# Altium PCB PCB.PcbDoc (part 1 of 2)
Units mm, origin at the board's own origin, x right, y up, seen from the top; angles counter-clockwise.
Board outline 111 x 125 mm, 4 copper layers (Top Layer, Ground Plane, Supply, Bottom Layer), stack 1.536 mm thick; 103 components, 126 nets, 485 pads, 233 vias.
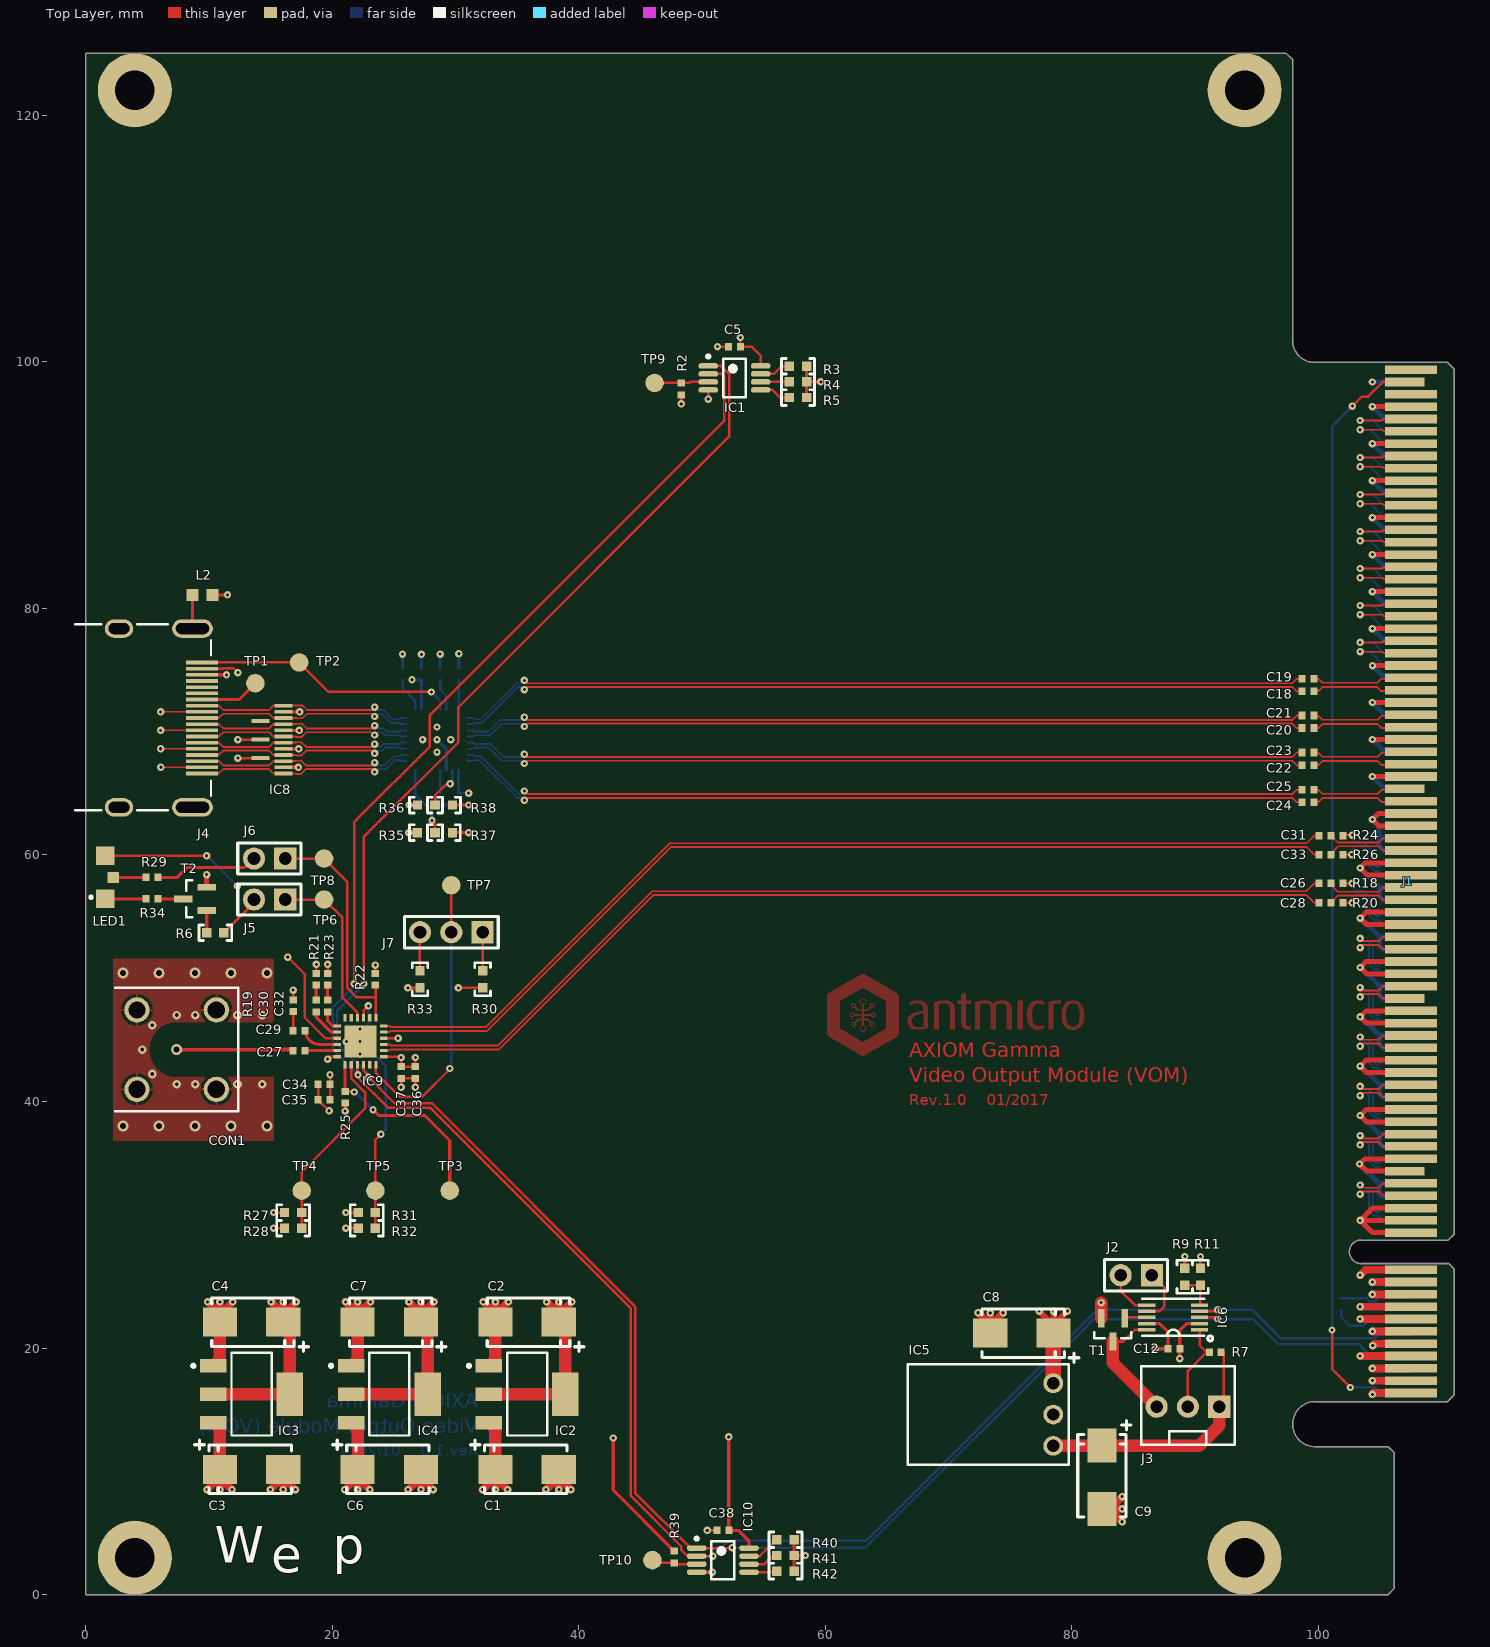
[diagram p0: Top Layer view]
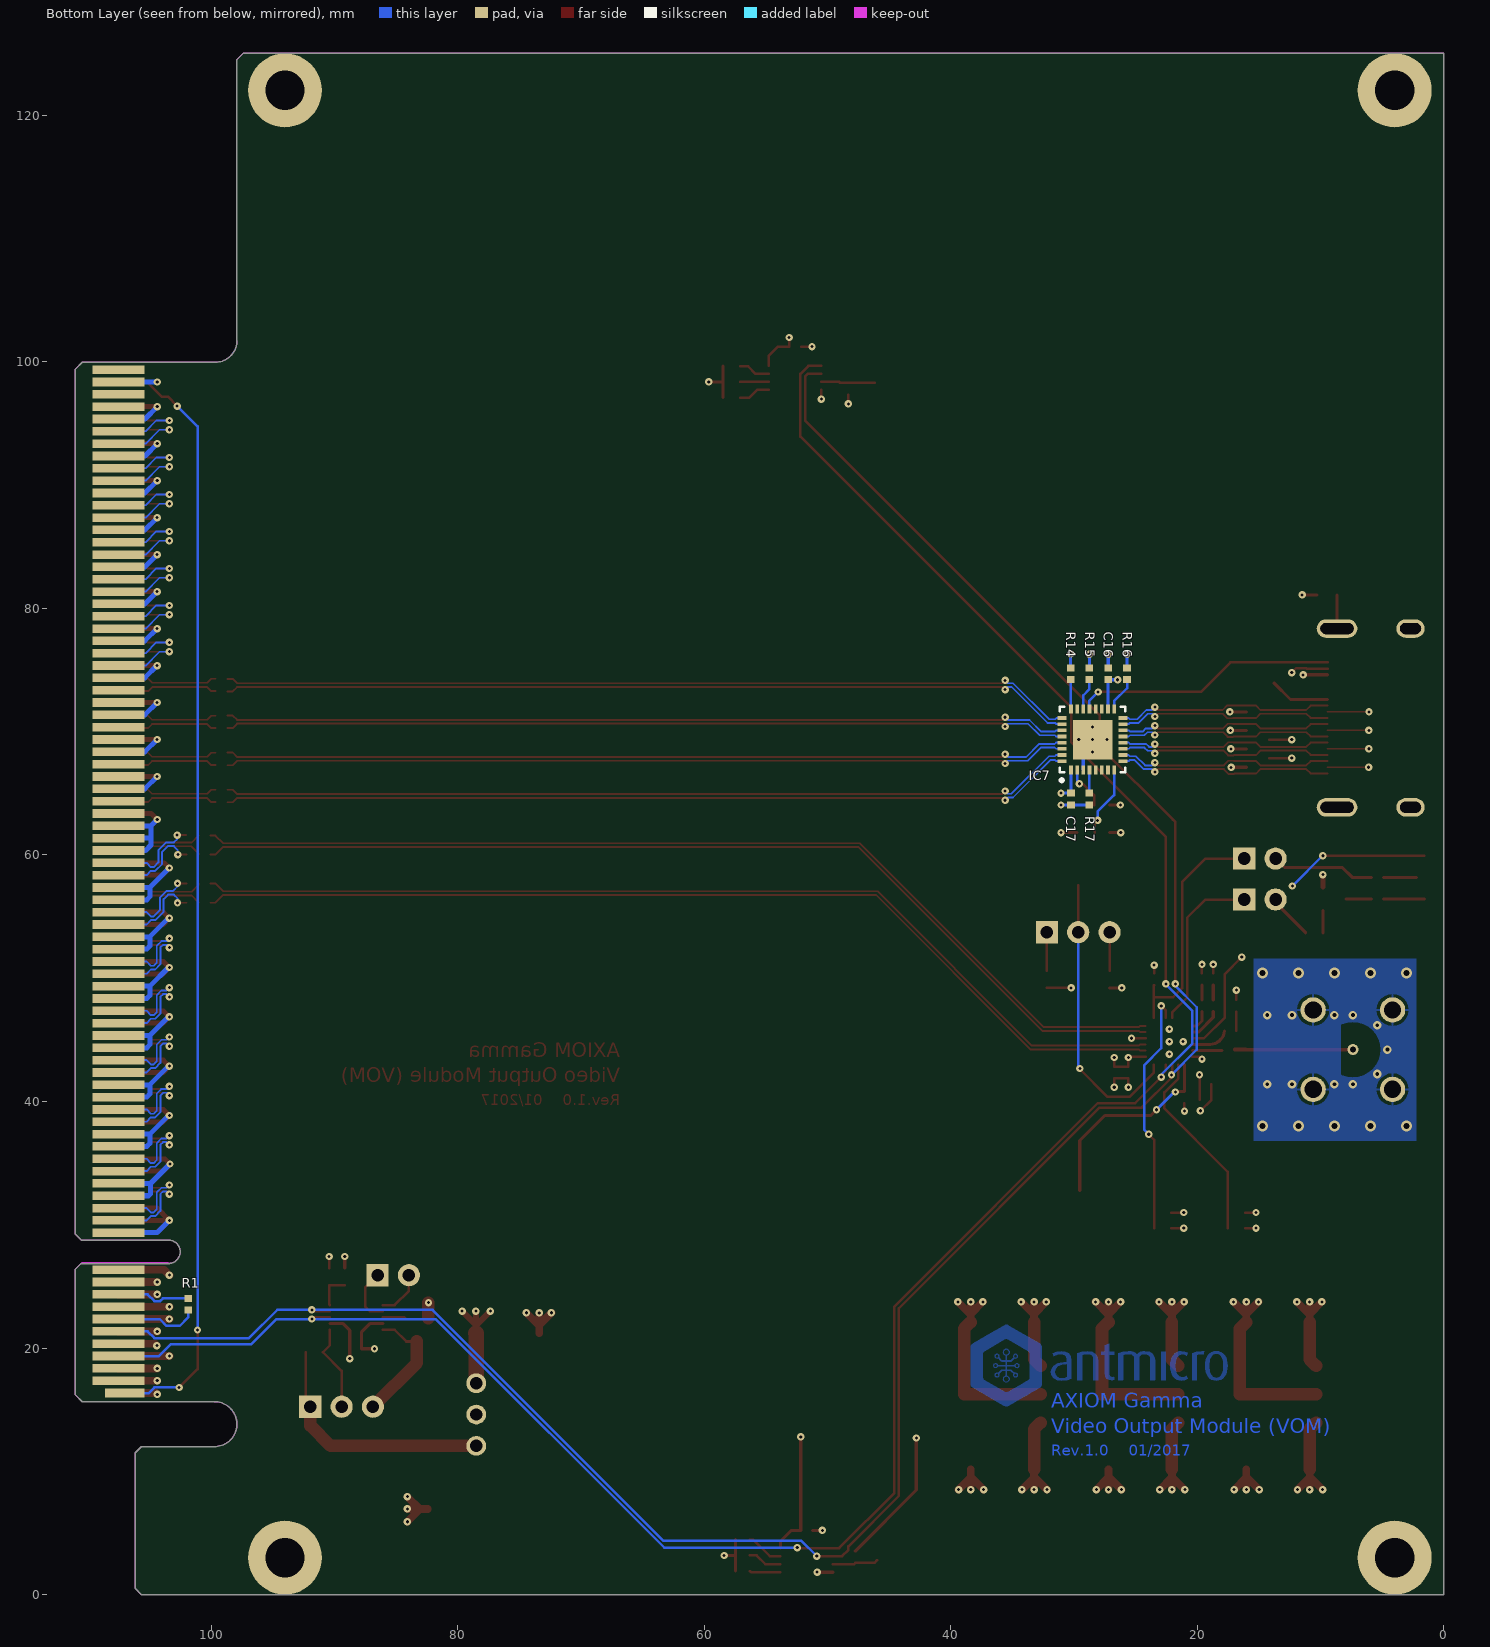
[diagram p1: Bottom Layer view, seen from below]
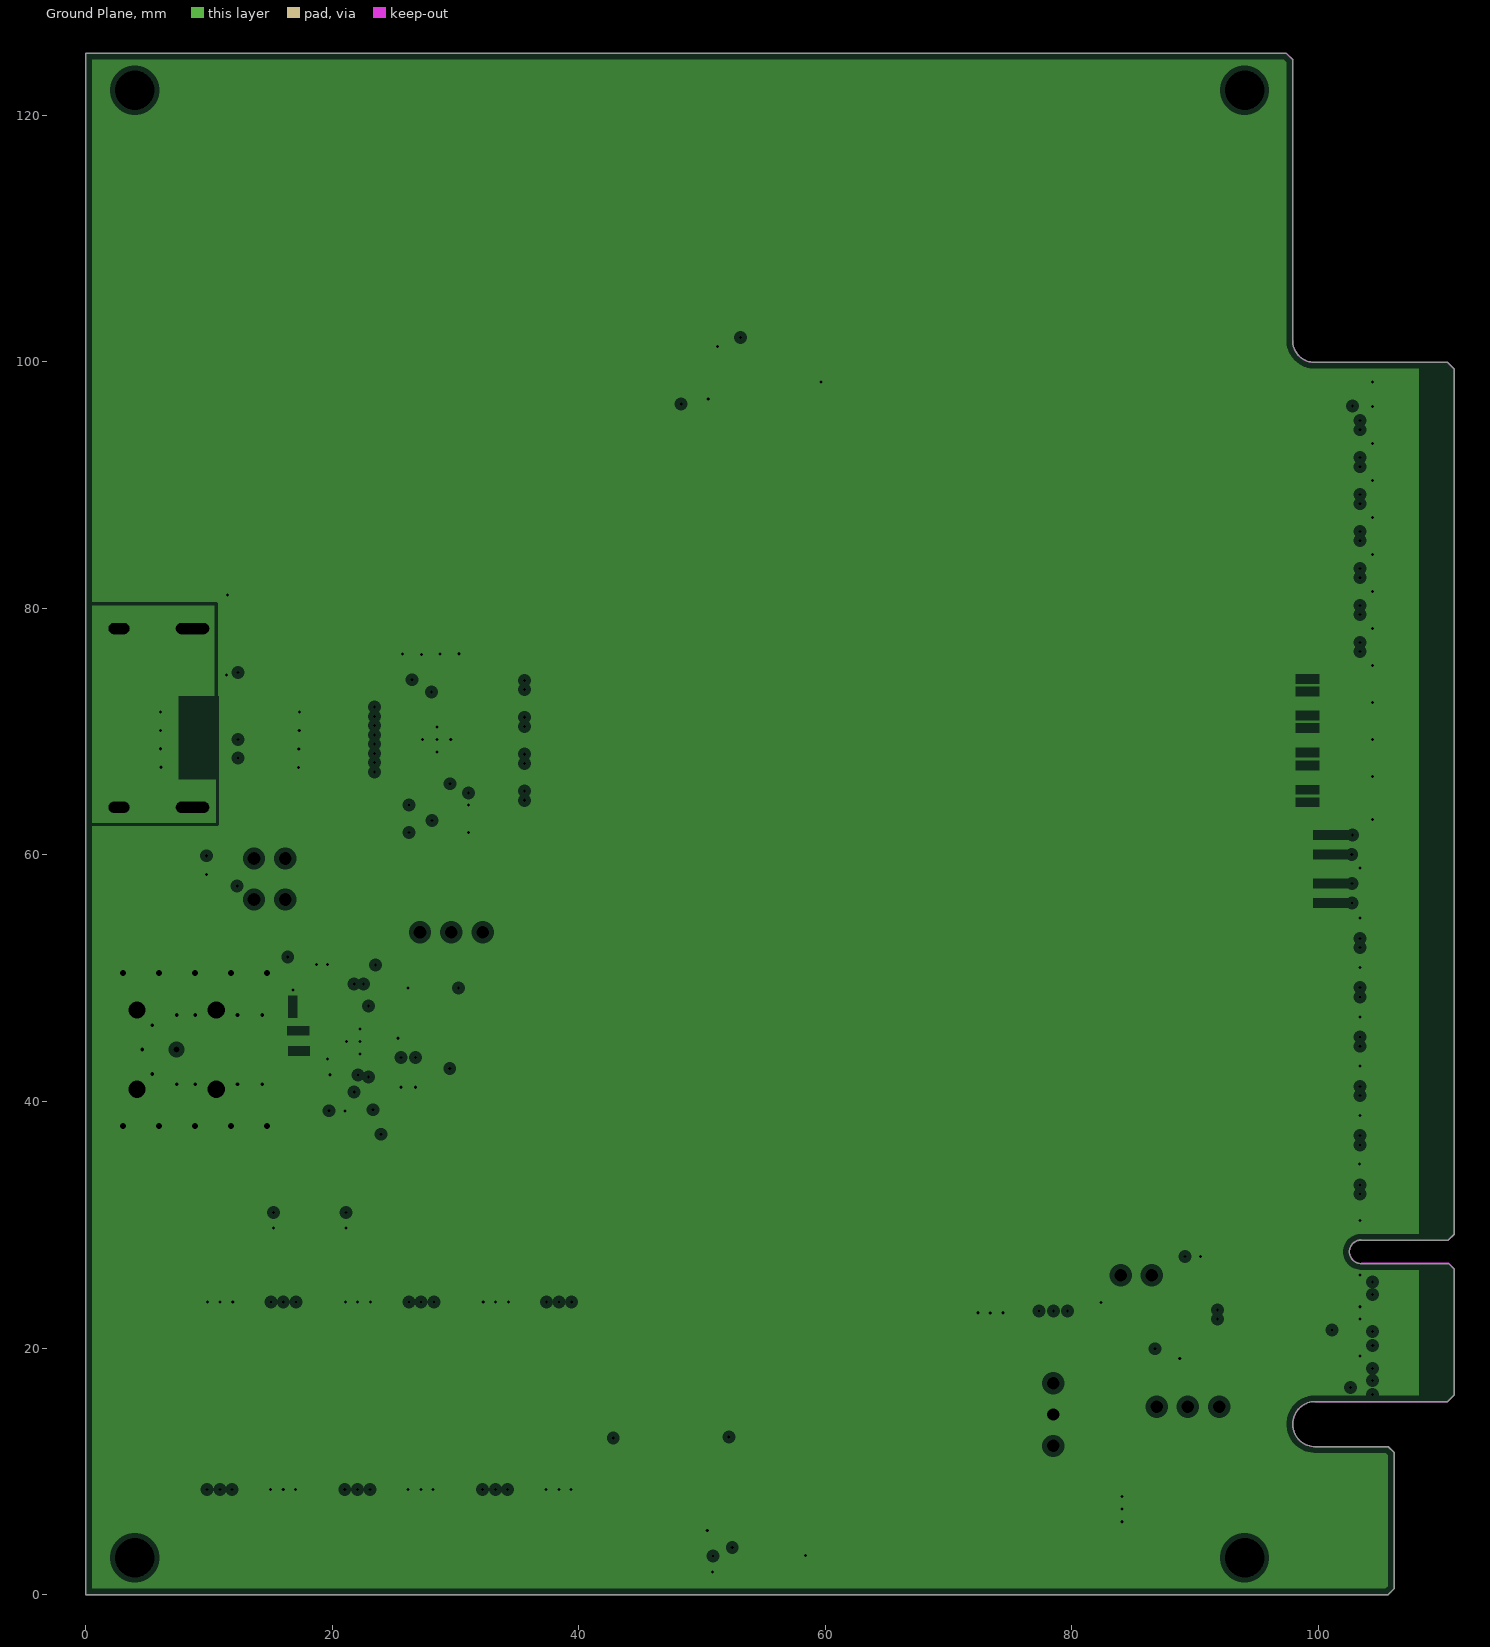
[diagram p2: Ground Plane, clearances drawn from the general rule]
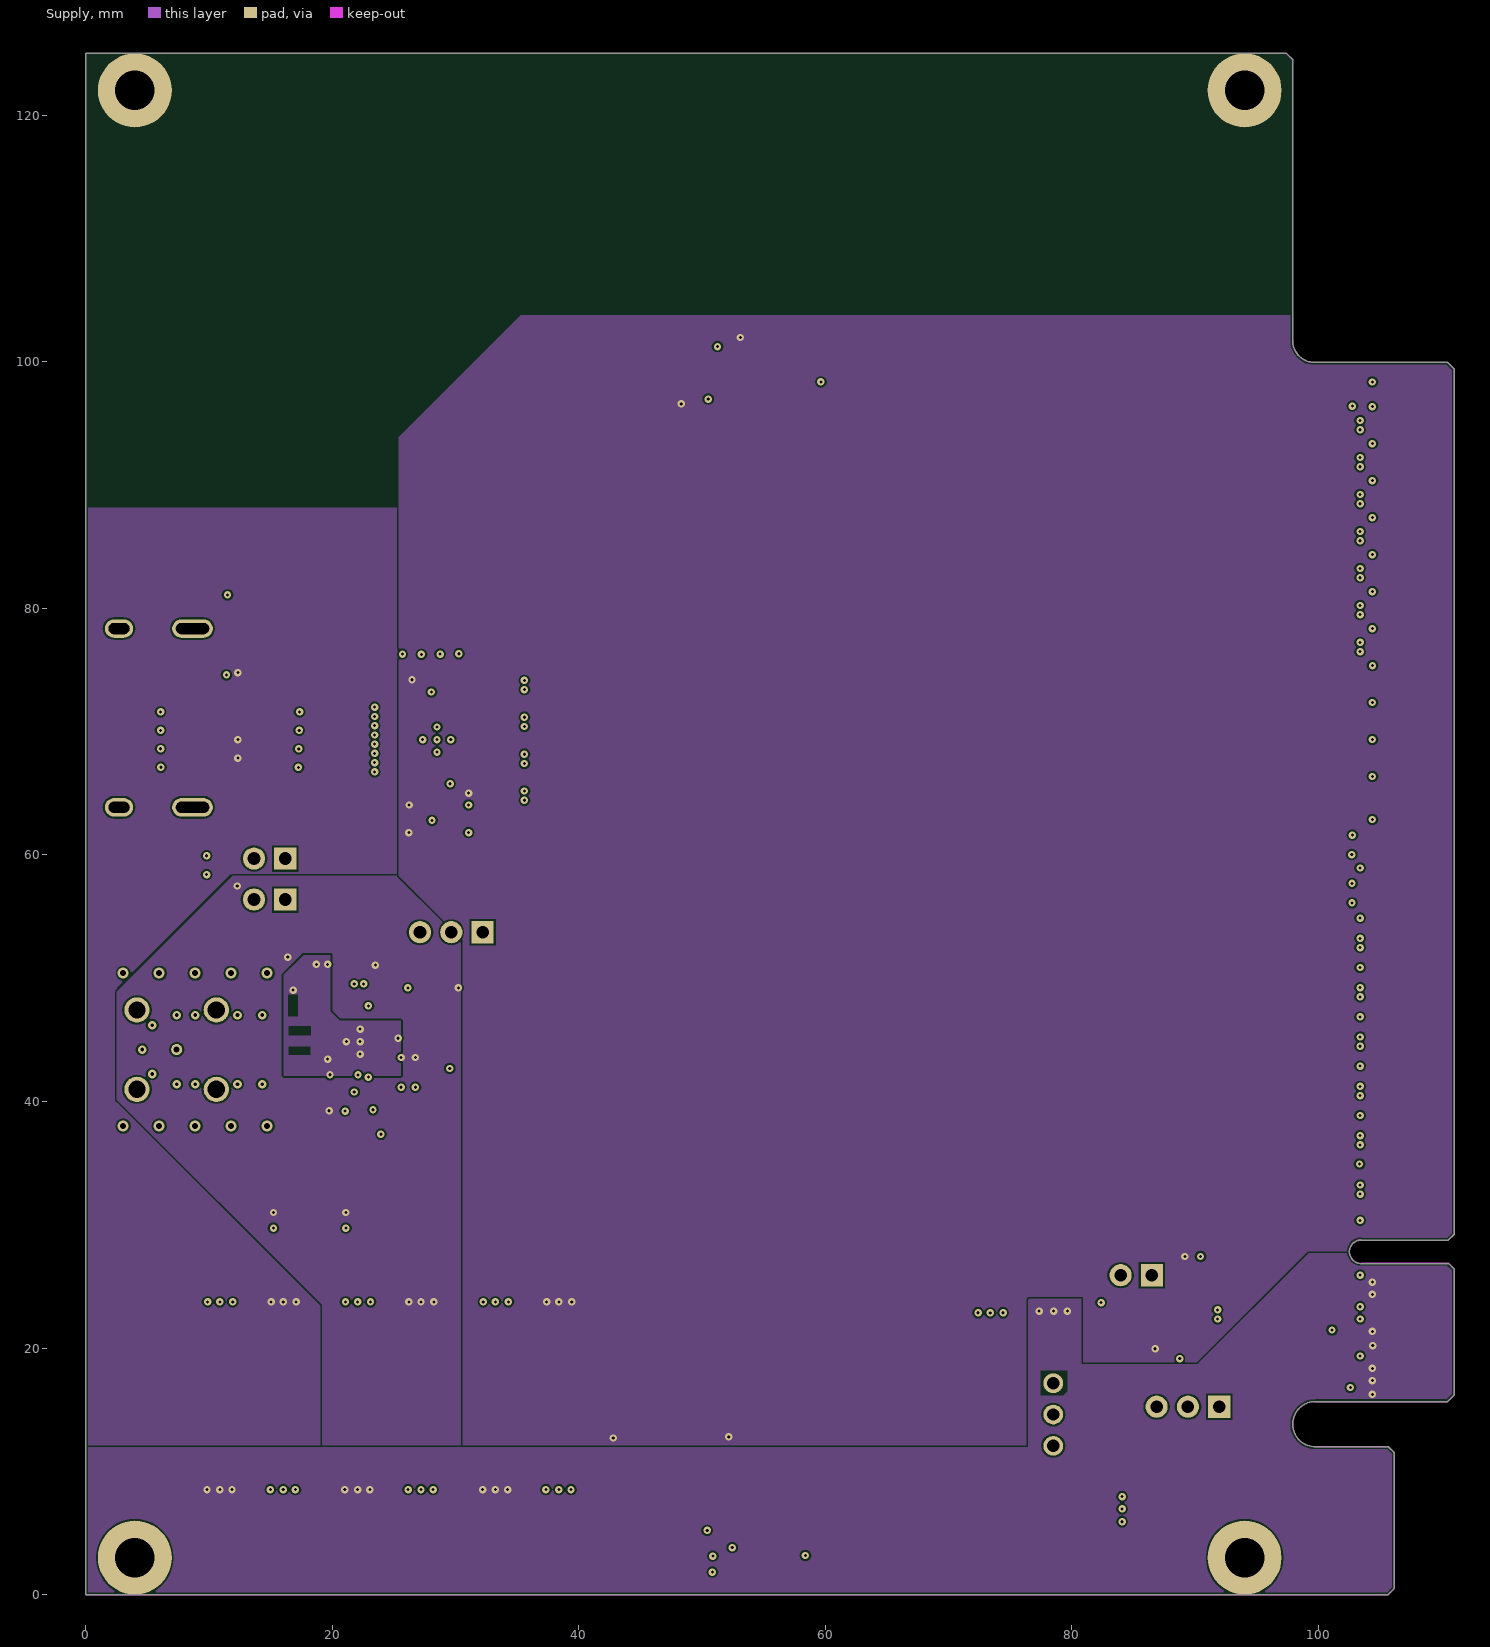
[diagram p3: Supply]
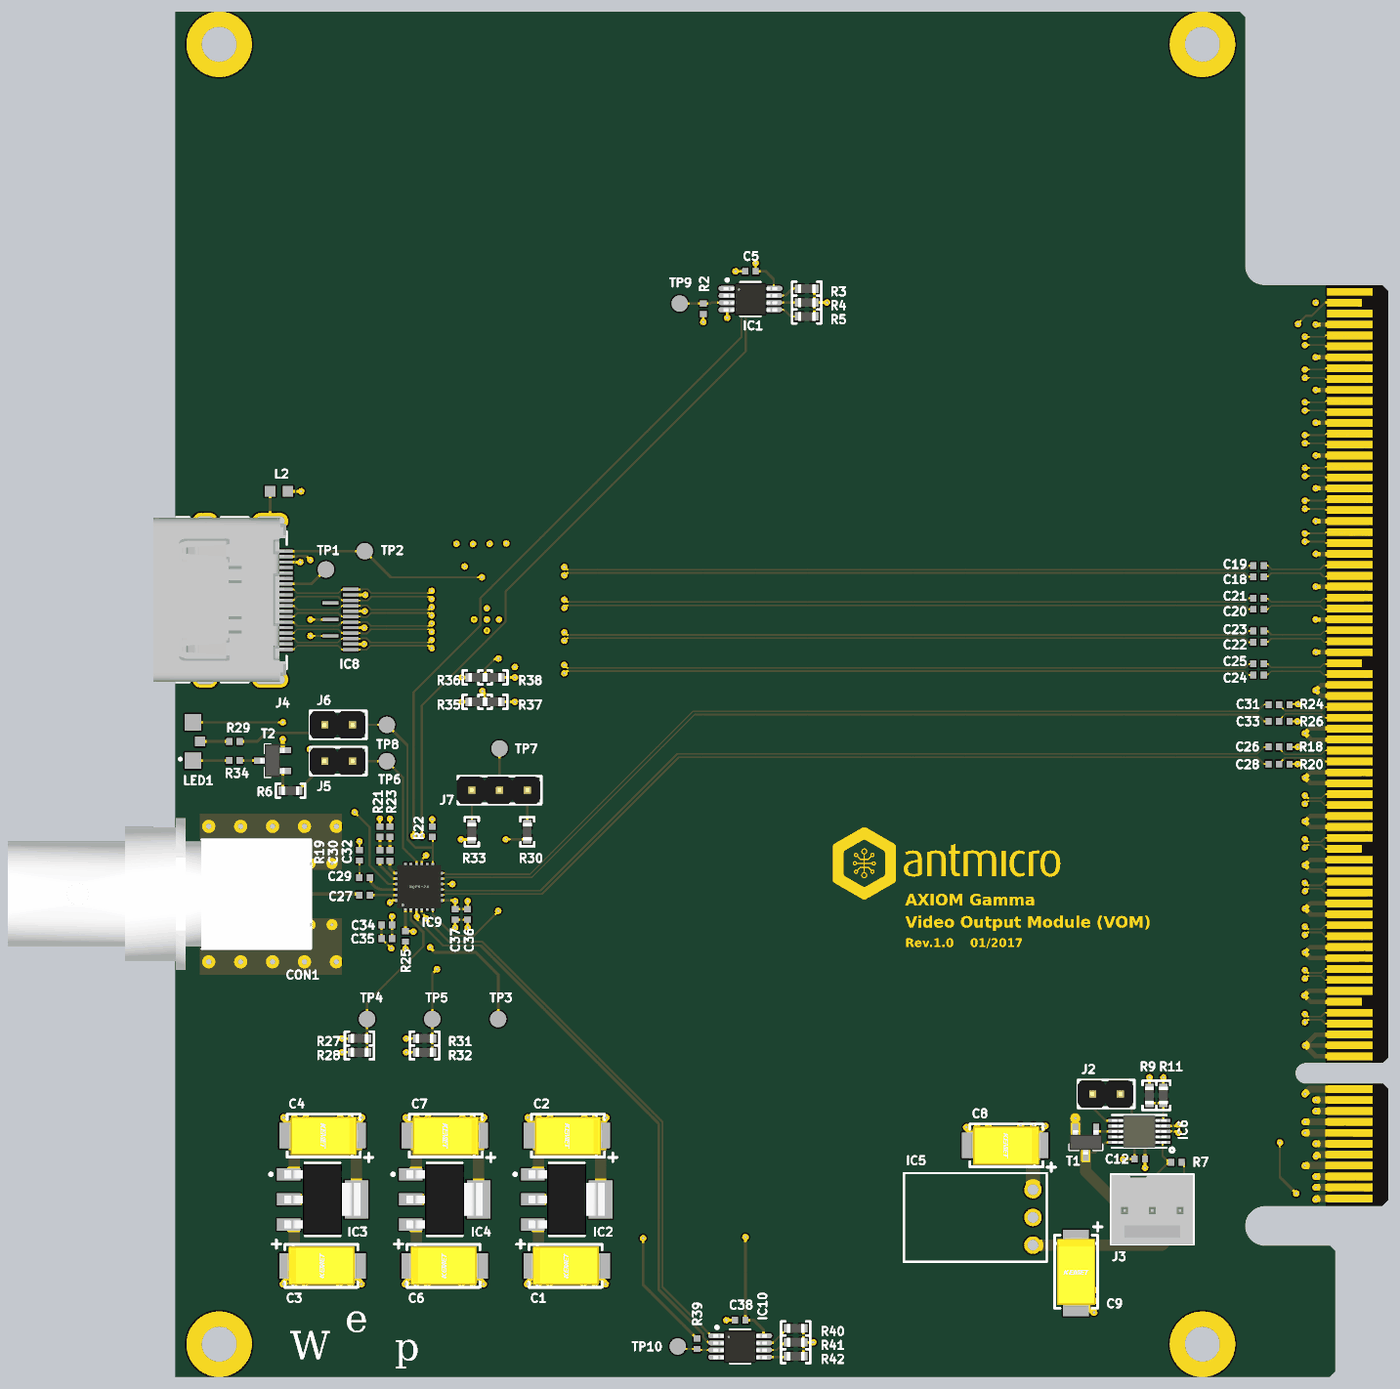
[diagram p5: 3D render of the assembled board from above, using the file's embedded part models]

## Layer stack, top to bottom
Top Solder: solder mask 0.0102, Solder Resist, Dk 3.5
Top Layer: signal copper 0.018
Dielectric 1: prepreg 0.36, FR-4, Dk 4.2
Ground Plane: plane copper 0.035, net (Multiple Nets)
Dielectric 3: core 0.71, Dk 4.2
Supply: signal copper 0.035
Dielectric 4: prepreg 0.36, Dk 4.2
Bottom Layer: signal copper 0.018
Bottom Solder: solder mask 0.0102, Solder Resist, Dk 3.5

## Board outline
0,0 105.65,0 106.15,0.5 106.15,11.5 105.65,12 99.725,12 cw(c99.725,13.825) 99.725,15.65 110.45,15.65 111,16.2 111,26.4 110.55,26.85 103.45,26.85 cw(c103.45,27.8) 103.45,28.75 110.525,28.75 111,29.225 111,99.4 110.45,99.95 99.65,99.95 cw(c99.65,101.7) 97.9,101.7 97.9,124.5 97.4,125 0,125

## Design rules (kind name [scope] priority, off if disabled: settings)
Clearance DiffPair_Clearance [All] p1 off: gap=1.524
Clearance Clearance-xPP-xTP-xTT [All] p2: gap=0.15
ComponentClearance [All] p1 off: gap=0.25 collisioncheckmode=3 verticalgap=0.25 showdistances=FALSE
DiffPairsRouting [InAnyDifferentialPair] p1: maxlimit=1 minlimit=0.15 mostfreqgap=0.15 toplayer_minwidth=0.1 toplayer_maxwidth=0.15 toplayer_prefwidth=0.15 midlayer1_minwidth=0.1 midlayer1_maxwidth=0.1 midlayer1_prefwidth=0.1 bottomlayer_minwidth=0.1 bottomlayer_maxwidth=0.15 bottomlayer_prefwidth=0.15 maxuncoupledlength=12.7
Height [All] p1: minheight=0 maxheight=25 prefheight=12.5
HoleSize HoleSize-PTH [All] p1: absolutevalues=TRUE maxlimit=28 minlimit=0.25 maxpercent=80.000 minpercent=20.000
HoleToHoleClearance [All] p1: gap=0.15 allowstackedmicrovias=TRUE
MinimumAnnularRing [All] p1: minimumring=0.1
MinimumSolderMaskSliver [All] p1: minsoldermaskwidth=0
PlaneClearance PlaneClearance-IPI [All] p1: clearance=0.4
PlaneConnect [All] p1: planeconnectstyle=Direct reliefexpansion=0.4 reliefentries=4 reliefconductorwidth=0.2 reliefairgap=0.2
PolygonConnect PolygonConnect12VConverter [InComponentClass('12V DC Converter')] p1: connectstyle=Relief reliefconductorwidth=0.406 reliefentries=4 polygonreliefangle="90 Angle" airgapwidth=0.203
PolygonConnect PolygonConnectVia [isVia] p2: connectstyle=Direct reliefconductorwidth=0.254 reliefentries=4 polygonreliefangle="90 Angle" airgapwidth=0.254
PolygonConnect PolygonConnect_Supplies [All vs OnLayer('Supply')] p3: connectstyle=Direct reliefconductorwidth=0.2 reliefentries=4 polygonreliefangle="90 Angle" airgapwidth=0.254
PolygonConnect PolygonConnect-xTW [All] p4: connectstyle=Relief reliefconductorwidth=0.2 reliefentries=4 polygonreliefangle="90 Angle" airgapwidth=0.254
RoutingCorners [All] p1: cornerstyle=45-Degree minsetback=2.5 maxsetback=2.5
RoutingVias [All] p1: holewidth=0.25 width=0.6 viastyle="Through Hole" minholewidth=0.25 minwidth=0.6 maxholewidth=1.6 maxwidth=2
SilkToSilkClearance [All] p1: silktosilkclearance=0.1
SilkToSolderMaskClearance [IsPad] p1: minsilkscreentomaskgap=0.09 clearancetoexposedcopper=TRUE
SolderMaskExpansion SolderMaskExpansionVias [isVia] p1: expansion=-0.6
SolderMaskExpansion [All] p2: expansion=0.15
Width Width-xTW [All] p1: maxlimit=1.5 minlimit=0.15 preferedwidth=0.15 minimp=50.000000 maximp=50.000000 favimp=50.000000
18 further rules are at their usual default settings.

## Classes and differential pairs
component class Supplies: C1 C2 C3 C4 C5 C6 C7 C8 C9 C12 C38 IC1 IC2 IC3 IC4 IC5 IC6 IC10 J2 J3 R2 R3 R4 R5 R7 R9 R11 R39 R40 R41 R42 T1 TP9 TP10
component class BackplaneConnector: J1 R1
component class HDMI: C16 C17 C18 C19 C20 C21 C22 C23 C24 C25 IC7 IC8 J4 L2 R14 R15 R16 R17 R35 R36 R37 R38 TP1 TP2
component class SDI: C26 C27 C28 C29 C30 C31 C32 C33 C34 C35 C36 C37 CON1 IC9 J5 J6 J7 LED1 R6 R18 R19 R20 R21 R22 R23 R24 R25 R26 R27 R28 R29 R30 R31 R32 R33 R34 T2 TP3 TP4 TP5 TP6 TP7 TP8
differential pair class HDMI-BP-To-Decouplers: LVDS_IN_0 LVDS_IN_1 LVDS_IN_2 LVDS_IN_3
differential pair class HDMI-Decoupler-To-Buffer: LVDS_IN_C_0 LVDS_IN_C_1 LVDS_IN_C_2 LVDS_IN_C_3
differential pair class HDMI-Buffer-To-Connector: HDMI_OUT_CLK HDMI_OUT_D0 HDMI_OUT_D1 HDMI_OUT_D2
differential pair PASS_MGT_7: +PASS_MGT_7_P -PASS_MGT_7_N
differential pair PASS_MGT_6: +PASS_MGT_6_P -PASS_MGT_6_N
differential pair PASS_MGT_5: +PASS_MGT_5_P -PASS_MGT_5_N
differential pair PASS_MGT_4: +PASS_MGT_4_P -PASS_MGT_4_N
differential pair PASS_MGT_3: +PASS_MGT_3_P -PASS_MGT_3_N
differential pair PASS_MGT_2: +PASS_MGT_2_P -PASS_MGT_2_N
differential pair PASS_LVDS_6: +PASS_LVDS_6_P -PASS_LVDS_6_N
differential pair PASS_LVDS_5: +PASS_LVDS_5_P -PASS_LVDS_5_N
differential pair PASS_LVDS_4_SSCLK: +PASS_LVDS_4_SSCLK_P -PASS_LVDS_4_SSCLK_N
differential pair PASS_LVDS_3: +PASS_LVDS_3_P -PASS_LVDS_3_N
differential pair PASS_LVDS_2: +PASS_LVDS_2_P -PASS_LVDS_2_N
differential pair PASS_LVDS_1: +PASS_LVDS_1_P -PASS_LVDS_1_N
differential pair PASS_LVDS_0: +PASS_LVDS_0_P -PASS_LVDS_0_N
differential pair OUT_MGT_1: +OUT_MGT_1_P -OUT_MGT_1_N
differential pair OUT_MGT_0: +OUT_MGT_0_P -OUT_MGT_0_N
differential pair IN_MGT_1: +IN_MGT_1_P -IN_MGT_1_N
differential pair IN_MGT_0: +IN_MGT_0_P -IN_MGT_0_N
differential pair HDMI_OUT_D2: +HDMI_OUT_D2_P -HDMI_OUT_D2_N
differential pair HDMI_OUT_D1: +HDMI_OUT_D1_P -HDMI_OUT_D1_N
differential pair HDMI_OUT_D0: +HDMI_OUT_D0_P -HDMI_OUT_D0_N
differential pair HDMI_OUT_CLK: +HDMI_OUT_CLK_P -HDMI_OUT_CLK_N
differential pair SDI_IN_1: +SDI_IN_1_P -SDI_IN_1_N
differential pair SDI_IN_2: +SDI_IN_2_P -SDI_IN_2_N
differential pair LVDS_IN_0: +LVDS_IN_0_P -LVDS_IN_0_N
differential pair LVDS_IN_1: +LVDS_IN_1_P -LVDS_IN_1_N
differential pair LVDS_IN_2: +LVDS_IN_2_P -LVDS_IN_2_N
differential pair LVDS_IN_3: +LVDS_IN_3_P -LVDS_IN_3_N
differential pair LVDS_IN_C_0: +LVDS_IN_C_0_P -LVDS_IN_C_0_N
differential pair LVDS_IN_C_1: +LVDS_IN_C_1_P -LVDS_IN_C_1_N
differential pair LVDS_IN_C_2: +LVDS_IN_C_2_P -LVDS_IN_C_2_N
differential pair LVDS_IN_C_3: +LVDS_IN_C_3_P -LVDS_IN_C_3_N
